# Allegro board IEM608_V10_211216.brd (continued)
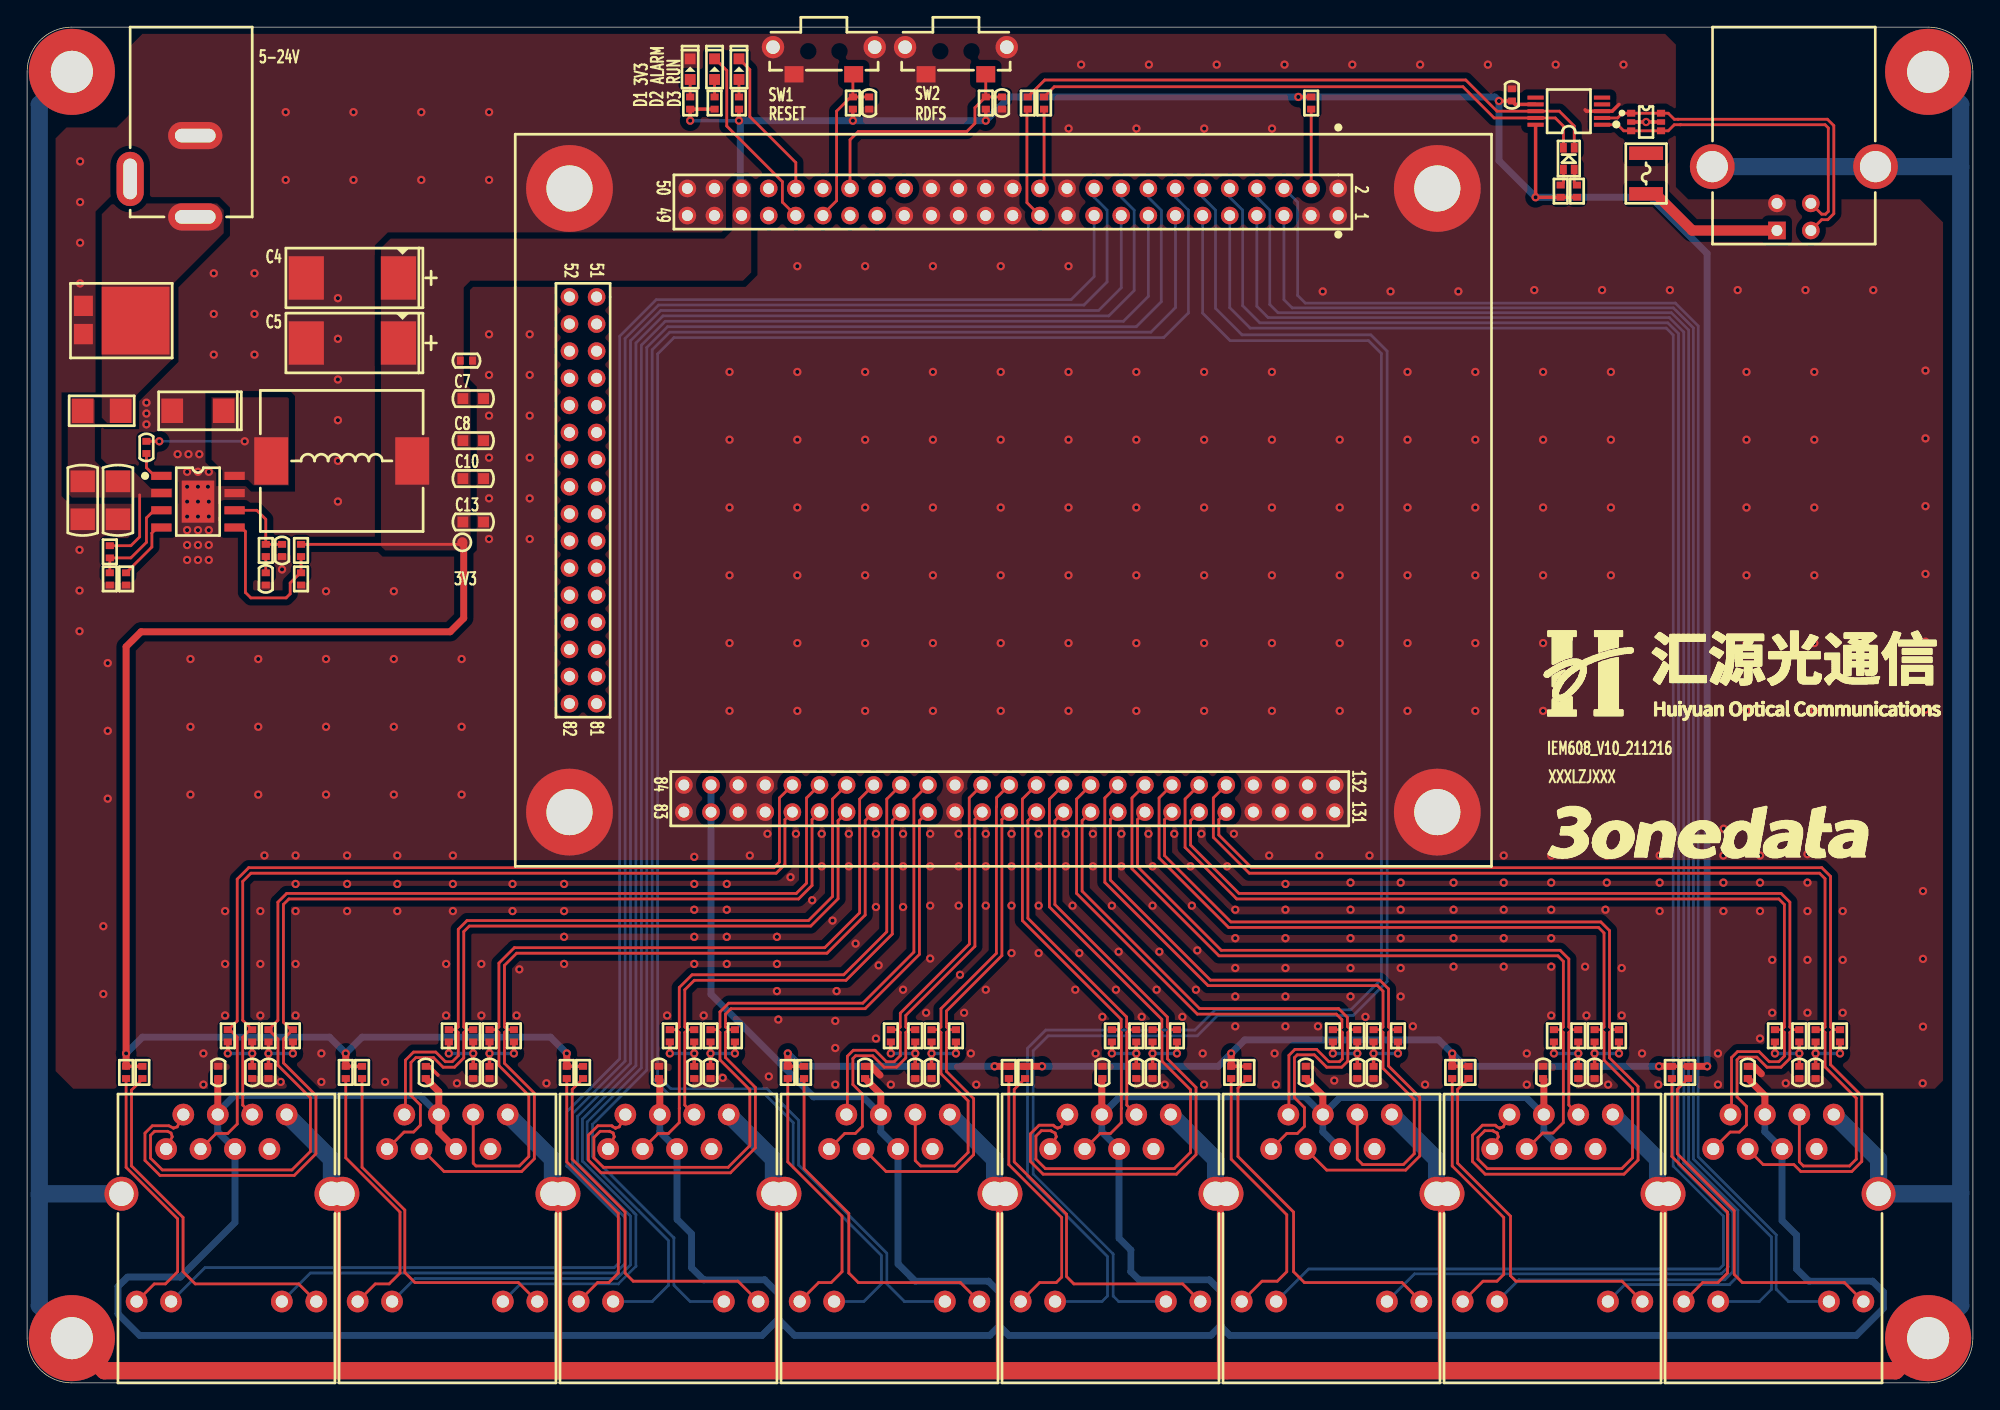
[diagram p0: board, top side]
## Routing (per net, layer and track width the routed paths; a pad name or vN(x,y) marks a point on that pad's centre or on a via; arc(x,y) is an arc through that point) (continued)
GND_EARTH: length 657.4
  TOP w0.508: J8.13 120.7,13.6 120.7,1 120.6,0.9 ; J4.14 71.7,13.6 71.7,0.9 ; J1.14 22.9,13.49 22.9,0.9 ; 104.4,0.9 104.3,1 104.3,13.6 103.94,13.95 ; 39.2,0.9 39.2,13.49 J2.14 ; 55.4,0.9 55.4,13.6 J3.14 ; 88.5,0.9 88,1.4 88,13.6 87.64,13.95
  TOP w1.27: MH3.1 5.7,0.9 137.8,0.9 MH4.1
  BOTTOM w0.762: 120.25,14.76 J8.13 ; 103.94,14.76 J7.13
  BOTTOM w1.27: J5.13 J4.14 71.34,16.48 J4.8 ; J2.8 38.74,16.48 J2.14 J3.13 ; J6.13 87.64,13.95 87.64,16.48 J5.8 ; MH1.1 0.9,94.3 0.9,13.9 ; J8.8 136.54,16.48 136.54,13.95 142.55,13.95 142.6,14 ; 0.9,13.9 0.95,13.95 6.96,13.95 ; 0.9,13.9 0.9,5.7 MH3.1 5.7,0.9 137.8,0.9 MH4.1 142.6,5.7 142.6,14 ; MH2.1 142.6,94.3 142.6,89.7 ; J1.8 22.45,16.48 J1.14 J2.13 ; USB1.5 USB1.6 142.59,89.71 142.6,89.7 ; J6.8 103.94,16.48 103.94,13.95 J7.13 ; 142.6,14 142.6,89.7 ; J4.13 J3.14 55.05,16.48 J3.8 ; J7.8 120.25,16.48 J7.14 J8.13
VCC_3.3V: length 356
  TOP w0.203: R12.1 31.95,61.85 TP1.1
  TOP w0.254: R54.1 R53.1 ; R3.2 v1(52.5,93.1) ; R56.1 R55.1 ; R2.2 R1.2 v1(48.9,93.1) ; R5.2 v1(70.7,93.1) ; R63.1 R64.1 ; R52.1 R51.1 ; R10.1 R9.1 v1(111.25,87.45) U1.10 ; R62.1 R61.1 ; R8.2 v1(93.75,94.85) ; v1(108.55,94.55) C1.2 109.75,94.3 U1.7 ; R4.2 v1(60.9,93.1) ; R50.1 R49.1 ; R60.1 R59.1
  TOP w0.508: R63.1 v1(120.35,23.35) ; R61.1 v1(105.1,24.3) ; R49.1 v1(7.3,24.3) 7.3,54.3 8.4,55.4 31.2,55.4 32.2,56.4 32.2,61.9 TP1.1 ; v1(71.35,23.35) R57.1 R58.1 v1(74.85,23.35) ; R51.1 v1(23.5,24.3) ; R55.1 v1(56.1,24.3) ; R59.1 v1(88.8,24.3) ; R64.1 v1(123.9,23.35) ; R53.1 v1(39.8,24.3)
  BOTTOM w0.254: v1(52.5,93.1) v1(48.9,93.1)
  BOTTOM w0.508: v1(71.35,23.35) 57.05,23.35 v1(56.1,24.3) ; v1(74.85,23.35) 87.85,23.35 v1(88.8,24.3) 89.8,25.3 104.1,25.3 v1(105.1,24.3) 106.05,23.35 v1(120.35,23.35) ; v1(7.3,24.3) 8.5,25.5 22.3,25.5 v1(23.5,24.3) 24.7,25.5 38.6,25.5 v1(39.8,24.3) ; U3.46 52.6,88.19 52.6,93 v1(52.5,93.1) v1(60.9,93.1) v1(70.7,93.1) 72.45,94.85 v1(93.75,94.85) 108.25,94.85 v1(108.55,94.55) 108.55,90.15 v1(111.25,87.45) 119.75,87.45 123.9,83.3 v1(123.9,23.35)
VCC_24V: length 5.6
  TOP w0.203: 8.3,65.5 8.3,62.4 7.65,61.75 R13.2
VCC_VCT25: length 358
  TOP w0.508: J3.4 46.66,22.39 C22.1 ; C25.1 62.96,21.29 J4.4 ; J1.4 14.06,22.41 C16.1 ; J5.4 79.26,22.41 C28.1 ; C37.1 128.16,21.19 J8.4 ; C19.1 30.36,21.49 J2.4 30.36,18.52 J2.5 ; J7.4 111.86,22.39 C34.1 ; J6.4 95.56,21.19 C31.1
  BOTTOM w0.508: J3.4 46.66,18.52 J3.5 47.93,12.07 49,11 49,8.5 49.9,7.6 54.4,7.6 55.4,6.6 55.4,4.7 ; 71.7,4.2 71,3.5 56.6,3.5 55.4,4.7 ; 71.7,4.2 71.7,6.7 70.9,7.5 65.5,7.5 64.23,8.77 J4.5 62.96,18.52 J4.4 61.65,21.1 58,21.1 50.44,28.66 U3.85 U3.86 ; 71.7,4.2 72.4,3.5 87.3,3.5 88,4.2 ; 88,4.2 88.7,3.5 134.9,3.5 136.9,5.5 136.9,6.7 136.1,7.5 131.4,7.5 130.5,8.4 130.5,10.9 129.43,11.97 J8.5 128.16,18.52 J8.4 ; 88,4.2 88,6.8 87.2,7.6 82,7.6 81.4,8.2 81.4,9.8 80.53,10.67 J5.5 79.26,18.52 J5.4 80.57,21.1 94.25,21.1 J6.4 ; J6.4 95.56,18.52 J6.5 ; J6.4 96.82,21.05 110.55,21.05 111.81,19.79 J7.4 111.86,18.52 J7.5 ; 55.4,4.7 54.2,3.5 8.3,3.5 6.7,5.1 6.7,7.1 7.4,7.8 11.3,7.8 15.33,11.83 J1.5 14.06,18.52 J1.4 14.06,19.96 15.3,21.2 28.95,21.2 J2.4
1_RXN: length 62.7
  TOP w0.203: U3.91 55.89,41.55 55.89,38.24 55.24,37.59 16.51,37.59 15.9,36.99 15.9,26.75 R18.1 16.45,26.05 15.9,25.5 15.9,20.49 J1.6
1_RXP: length 68.8
  TOP w0.203: U3.92 55.48,43.15 55.48,38.41 55.08,38 16.34,38 15.49,37.16 15.49,26.69 14.85,26.05 ; 14.85,26.05 14.95,26.05 15.5,25.5 15.5,19.1 14.8,18.4 13.94,18.4 J1.3 ; 14.85,26.05 R17.1
1_TXN: length 84.7
  TOP w0.203: 19.59,26.05 18.91,25.37 18.91,23.59 21.3,21.2 21.3,16.9 19.7,15.3 9.8,15.3 8.69,16.41 8.69,18.42 9.23,18.96 10.45,18.96 10.79,18.79 11.07,18.88 J1.2 ; 19.59,26.05 19.45,26.05 18.9,26.6 18.9,35.29 19.31,35.69 56.89,35.69 57.89,36.69 57.89,41.55 U3.93 ; 19.59,26.05 R20.1
1_TXP: length 84.5
  TOP w0.203: J1.1 10.7,18.16 10.61,18.43 10.36,18.56 9.4,18.56 9.1,18.25 9.1,16.57 9.97,15.71 19.53,15.71 20.89,17.07 20.89,21.03 18.5,23.43 18.5,25.36 17.81,26.05 R19.1 18.49,26.74 18.49,35.46 19.14,36.1 56.73,36.1 57.48,36.86 57.48,43.15 U3.94
2_RXN: length 61.9
  TOP w0.203: 34.59,26.05 34.8,25.85 34.8,23.4 37,21.2 37,16.7 36.3,16 33.1,16 32.9,16.2 J2.6 ; 34.59,26.05 R23.1 ; 34.59,26.05 34.8,26.25 34.8,30.96 35.93,32.1 58.83,32.1 61.4,34.67 61.4,43.06 U3.98
2_RXP: length 61.2
  TOP w0.203: J2.3 30.75,15.59 36.47,15.59 37.41,16.53 37.41,21.37 35.2,23.57 35.2,25.85 35.41,26.05 ; 35.41,26.05 R24.1 ; 35.41,26.05 35.2,26.25 35.2,30.79 36.1,31.69 58.99,31.69 61.81,34.51 61.81,41.47 U3.97
2_TXN: length 55.9
  TOP w0.203: J2.2 27.9,19.87 27.9,23.8 28.5,24.4 30.14,24.4 30.85,23.69 31.35,23.69 31.8,24.13 31.8,25.85 31.59,26.05 ; 31.59,26.05 R21.1 ; 31.59,26.05 31.8,26.25 31.8,33.46 32.44,34.1 57.63,34.1 59.4,35.87 59.4,43.06 U3.96
2_TXP: length 58
  TOP w0.203: U3.95 59.81,41.47 59.81,35.71 57.79,33.69 32.61,33.69 32.2,33.29 32.2,26.25 32.41,26.05 ; 32.41,26.05 R22.1 ; 32.41,26.05 32.2,25.85 32.2,23.97 31.52,23.28 30.68,23.28 29.97,23.99 28.67,23.99 28.31,23.63 28.31,21.19 29,20.5 29,19 28.5,18.5 27.8,18.5 J2.1
3_RXN: length 36.4
  TOP w0.203: J3.6 48.5,20.49 48.5,25.85 48.71,26.05 ; 48.71,26.05 48.5,26.25 48.5,28.99 49.2,29.69 60.39,29.69 63.81,33.11 63.81,41.47 U3.99 ; 48.71,26.05 R26.1
3_RXP: length 42.4
  TOP w0.203: U3.100 63.4,43.06 63.4,33.27 60.23,30.1 49.03,30.1 48.1,29.16 48.1,26.25 47.89,26.05 ; 47.89,26.05 R25.1 ; 47.89,26.05 48.1,25.85 48.1,20.25 48.1,20.25 48.1,19.2 47.3,18.4 46.54,18.4 J3.3
3_TXN: length 57.3
  TOP w0.203: J3.2 43.67,18.88 43.39,18.79 43.2,18.89 43.12,18.96 42.09,18.96 41.39,18.27 41.39,16.43 42.33,15.49 51.87,15.49 53.71,17.33 53.71,21.79 51.5,24 51.5,25.85 51.71,26.05 ; U3.101 65.81,41.47 65.81,31.61 61.8,27.6 51.91,27.6 51.5,27.19 51.5,26.25 51.71,26.05 ; R28.1 51.71,26.05
3_TXP: length 57.2
  TOP w0.203: 50.89,26.05 51.1,26.25 51.1,27.36 51.74,28.01 61.63,28.01 65.4,31.77 65.4,43.06 U3.102 ; 50.89,26.05 R27.1 ; 50.89,26.05 51.1,25.85 51.1,23.83 53.3,21.63 53.3,17.5 51.7,15.9 42.5,15.9 41.8,16.6 41.8,18.1 42.26,18.56 42.96,18.56 43.21,18.43 43.3,18.16 J3.1
4_RXN: length 38.5
  TOP w0.203: J4.6 65.5,16.4 65.9,16 68.4,16 69.4,17 69.4,20.8 67.4,22.8 67.4,25.85 67.19,26.05 ; U3.108 71.5,43.16 71.5,42.51 71.48,42.5 71.48,31.68 67.4,27.6 67.4,26.25 67.19,26.05 ; 67.19,26.05 R31.1
4_RXP: length 38
  TOP w0.203: 68.01,26.05 67.8,26.25 67.8,27.43 71.89,31.51 71.89,41.55 U3.107 ; 68.01,26.05 R32.1 ; 68.01,26.05 67.8,25.85 67.8,22.97 69.81,20.97 69.81,16.83 68.57,15.59 63.35,15.59 J4.3
4_TXN: length 32.1
  TOP w0.203: 64.19,26.05 64.4,25.85 64.4,24.13 63.95,23.69 63.38,23.69 62.53,24.53 60.93,24.53 60.49,24.09 60.49,19.86 J4.2 ; 64.19,26.05 64.4,26.25 64.4,27.27 69.49,32.37 69.49,40.09 69.48,40.1 69.48,43.15 U3.106 ; 64.19,26.05 R29.1
4_TXP: length 34.2
  TOP w0.203: U3.105 69.9,41.56 69.9,32.2 64.8,27.1 64.8,26.25 65.01,26.05 ; 65.01,26.05 R30.1 ; 65.01,26.05 64.8,25.85 64.8,23.97 64.12,23.28 63.21,23.28 62.37,24.13 61.1,24.13 60.9,23.92 60.9,22.01 61.6,21.31 61.6,18.92 61.08,18.4 60.3,18.4 J4.1
5_RXN: length 26.5
  TOP w0.203: 81.31,26.05 81.1,25.85 81.1,20.49 J5.6 ; 81.31,26.05 R34.1 ; 81.31,26.05 81.09,26.27 81.09,26.98 73.81,34.27 73.81,41.47 U3.109
5_RXP: length 32.5
  TOP w0.203: 80.49,26.05 80.7,25.85 80.7,20.25 80.7,20.25 80.7,19.2 79.9,18.4 79.14,18.4 J5.3 ; 80.49,26.05 80.68,26.24 80.68,26.82 73.4,34.1 73.4,43.06 U3.110 ; 80.49,26.05 R33.1
5_TXN: length 49.4
  TOP w0.203: 84.31,26.05 84.1,25.85 84.1,23.9 86.21,21.79 86.21,16.83 84.77,15.39 74.93,15.39 73.99,16.33 73.99,18.37 74.63,19.01 75.68,19.01 75.8,18.89 75.99,18.79 76.27,18.88 J5.2 ; 84.31,26.05 R36.1 ; 84.31,26.05 84.09,26.27 84.09,26.98 75.8,35.28 75.8,41.46 U3.111
5_TXP: length 49.3
  TOP w0.203: 83.49,26.05 R35.1 ; 83.49,26.05 83.7,25.85 83.7,23.73 85.8,21.63 85.8,17 84.6,15.8 75.1,15.8 74.4,16.5 74.4,18.2 74.8,18.6 75.51,18.6 75.56,18.56 75.81,18.43 75.9,18.16 J5.1 ; 83.49,26.05 83.68,26.24 83.68,26.82 75.39,35.11 75.39,43.05 U3.112
6_RXN: length 53
  TOP w0.203: 99.79,26.05 100,25.85 100,23.2 102.3,20.9 102.3,16.9 101.5,16.1 98.5,16.1 98.1,16.5 J6.6 ; 99.79,26.05 100,26.25 100,28.89 99.59,29.3 87.1,29.3 79.48,36.92 79.48,43.15 U3.116 ; 99.79,26.05 R39.1
6_RXP: length 52.5
  TOP w0.203: J6.3 95.85,15.69 101.67,15.69 102.71,16.73 102.71,21.07 100.4,23.37 100.4,25.85 100.61,26.05 ; 100.61,26.05 100.4,26.25 100.4,29.06 99.76,29.71 87.27,29.71 79.89,37.09 79.89,41.55 U3.115 ; 100.61,26.05 R40.1
6_TXN: length 44.4
  TOP w0.203: J6.2 93.06,19.83 93.06,24.16 93.5,24.6 95.1,24.6 96.01,23.69 96.78,23.69 97,23.9 97,25.85 96.79,26.05 ; 96.79,26.05 R37.1 ; 96.79,26.05 96.96,26.22 96.96,26.79 96.56,27.2 86.3,27.2 77.4,36.1 77.4,43.06 U3.114
6_TXP: length 46.5
  TOP w0.203: U3.113 77.81,41.47 77.81,36.27 86.47,27.61 96.72,27.61 97.37,26.96 97.37,26.29 97.61,26.05 ; 97.61,26.05 97.4,25.85 97.4,23.73 96.95,23.28 95.84,23.28 94.93,24.19 93.67,24.19 93.47,23.99 93.47,21.04 94.2,20.31 94.2,18.92 93.68,18.4 92.9,18.4 J6.1 ; 97.61,26.05 R38.1
7_RXN: length 51.3
  TOP w0.203: 113.91,26.05 113.7,26.25 113.7,31.26 113.06,31.91 88.07,31.91 81.89,38.09 81.89,41.55 U3.117 ; 113.91,26.05 R42.1 ; 113.91,26.05 113.7,25.85 113.7,20.49 J7.6
7_RXP: length 57.3
  TOP w0.203: J7.3 111.77,18.43 112.53,18.43 113.3,19.2 113.3,25.85 113.09,26.05 ; 113.09,26.05 R41.1 ; 113.09,26.05 113.3,26.25 113.3,31.09 112.89,31.5 87.9,31.5 81.48,37.92 81.48,43.15 U3.118
7_TXN: length 75.6
  TOP w0.203: 116.91,26.05 116.7,26.25 116.7,33.36 116.06,34 88.77,34 83.89,38.89 83.89,41.55 U3.119 ; 116.91,26.05 R44.1 ; 116.91,26.05 116.7,25.85 116.7,23.97 118.81,21.87 118.81,16.43 117.77,15.39 107.53,15.39 106.59,16.33 106.59,18.27 107.33,19.01 108.28,19.01 108.4,18.89 108.59,18.79 108.87,18.88 J7.2
7_TXP: length 75.6
  TOP w0.203: 116.09,26.05 R43.1 ; 116.09,26.05 116.3,26.25 116.3,33.19 115.89,33.59 88.61,33.59 83.48,38.72 83.48,43.15 U3.120 ; 116.09,26.05 116.3,25.85 116.3,23.8 118.4,21.7 118.4,16.6 117.6,15.8 107.7,15.8 107,16.5 107,18.1 107.5,18.6 108.11,18.6 108.16,18.56 108.41,18.43 108.5,18.16 J7.1
8_RXN: length 81
  TOP w0.203: 132.39,26.05 132.6,26.25 132.6,37.19 132.19,37.59 90.13,37.59 87.48,40.24 87.48,43.15 U3.124 ; 132.39,26.05 R47.1 ; 132.39,26.05 132.6,25.85 132.6,23.3 134.9,21 134.9,16.5 134.4,16 131,16 130.7,16.3 J8.6
8_RXP: length 80.3
  TOP w0.203: U3.123 87.89,41.55 87.89,40.41 90.3,38 132.36,38 133,37.36 133,26.25 133.21,26.05 ; 133.21,26.05 R48.1 ; 133.21,26.05 133,25.85 133,23.47 135.31,21.17 135.31,16.33 134.57,15.59 130.81,15.59 130.3,16.1 128.04,16.1 J8.3
8_TXN: length 71.6
  TOP w0.203: 129.39,26.05 R45.1 ; 129.39,26.05 129.6,26.25 129.6,35.29 129.19,35.69 89.21,35.69 85.4,39.5 85.4,43.06 U3.122 ; 129.39,26.05 129.6,25.85 129.6,24.1 129.18,23.69 128.48,23.69 127.73,24.43 126.14,24.43 125.7,23.99 125.7,19.87 J8.2
8_TXP: length 73.7
  TOP w0.203: J8.1 125.6,18.5 126.28,18.5 126.8,19.02 126.8,20.4 126.11,21.09 126.11,23.82 126.31,24.03 127.57,24.03 128.31,23.28 129.35,23.28 130,23.93 130,25.85 130.21,26.05 ; 130.21,26.05 R46.1 ; 130.21,26.05 130,26.25 130,35.46 129.36,36.1 89.37,36.1 85.81,39.67 85.81,41.47 U3.121
ALARM_LED: length 14.1
  TOP w0.203: U3.41 55.7,87.09 55.7,88.6 51.6,92.7 51.6,96.8 50.74,97.66 D2.2
CH340E_RXD: length 41.4
  TOP w0.203: R7.1 75.75,95.6 105.89,95.6 108.19,93.3 U1.9 112.7,93.3 113.3,92.7 D4.3
CH340E_TXD: length 43.8
  TOP w0.203: R6.1 75.05,96.1 106.1,96.1 108.4,93.8 U1.8 113,93.8 114.1,92.7 D4.1
LINK1: length 142.5
  BOTTOM w0.203: J1.11 20.89,8.1 43.39,8.1 44.1,8.81 44.1,12.19 44.06,12.24 44.06,12.25 40.23,16.07 40.23,19.87 44.1,23.73 44.1,77.03 46.57,79.5 77.94,79.5 79.65,81.2 79.65,86.5 78.69,87.45 U3.20
LINK2: length 128.5
  BOTTOM w0.203: J2.11 36.38,7.3 43.6,7.3 44.9,8.6 44.9,12.4 44.77,12.53 44.77,12.54 40.95,16.36 40.95,19.45 44.9,23.4 44.9,76.7 46.9,78.7 79.77,78.7 81.65,80.58 81.65,86.5 80.69,87.45 U3.18
LINK3: length 125.6
  BOTTOM w0.203: U3.16 82.69,87.45 83.65,86.5 83.65,79.75 81.8,77.9 47.23,77.9 45.7,76.37 45.7,23.07 41.7,19.07 41.7,16.7 47.7,10.7 47.7,7.2 48.9,6 J3.11
LINK4: length 134.6
  BOTTOM w0.203: U3.14 84.69,87.45 85.65,86.5 85.65,78.92 83.83,77.1 47.71,77.1 46.5,75.89 46.5,22.67 47.47,21.7 54.57,21.7 56.9,19.37 56.9,16.07 63.4,9.57 63.4,7.3 64.7,6 J4.11
LINK5: length 122.5
  BOTTOM w0.203: J5.11 80.51,6 80.1,6.41 80.1,9.5 74.2,15.4 74.2,24.5 75.3,25.6 86.3,25.6 87.8,27.1 97.8,27.1 100.3,29.6 100.3,76.1 99.1,77.3 89.6,77.3 87.65,79.25 87.65,86.5 86.69,87.45 U3.12
LINK6: length 138.6
  BOTTOM w0.203: J6.11 102.33,8.04 124.95,8.04 125.46,8.55 125.46,12.44 121.79,16.11 121.79,77.4 121,78.19 90.91,78.19 89.65,79.45 89.65,86.5 88.69,87.45 U3.10
LINK7: length 122.3
  BOTTOM w0.203: U3.8 90.69,87.45 91.65,86.5 91.65,79.54 92.25,78.93 121.26,78.93 122.53,77.66 122.53,16.37 126.17,12.74 126.17,7.87 125.54,7.24 117.83,7.24 J7.11
LINK8: length 116.5
  BOTTOM w0.203: 132.88,6 129.9,6 129,6.9 129,10.91 123.24,16.66 123.24,77.96 121.56,79.64 94.26,79.64 93.7,80.21 93.7,87.09 U3.6
RDFS: length 18.5
  TOP w0.203: R5.1 C3.1 ; R5.1 70.69,94.85 69.9,94.06 69.9,92.9 69.3,92.3 61.3,92.3 60.69,91.69 U3.38 ; R5.1 SW2.3
RESET: length 12.6
  TOP w0.203: SW1.3 60.9,96.46 R4.1 ; R4.1 60.75,94.85 59.7,93.8 59.7,87.2 58.69,86.19 U3.39 ; R4.1 C2.1
RUN_LED: length 11.3
  TOP w0.203: U3.42 56.69,90.01 53.3,93.4 53.3,96.86 D3.2
RXD: length 8.3
  TOP w0.203: U3.23 73.74,87.05 73.74,93.89 R6.2
SPEED1: length 147.1
  BOTTOM w0.203: 10.62,6 13.12,8.5 43.29,8.5 43.7,8.91 43.7,12.1 39.8,16 39.8,20 43.7,23.9 43.7,77.2 46.4,79.9 76.99,79.9 78.69,81.6 U3.19
SPEED2: length 133.2
  BOTTOM w0.203: J2.10 28.61,7.7 43.5,7.7 44.5,8.7 44.5,12.29 44.41,12.38 44.41,12.39 40.59,16.22 40.59,19.66 44.5,23.57 44.5,76.87 46.73,79.1 79.02,79.1 80.69,80.77 U3.17
SPEED3: length 122.9
  BOTTOM w0.203: 43.22,6 46.1,6 47.3,7.2 47.3,10.5 45.12,12.68 45.12,12.69 41.3,16.51 41.3,19.24 45.3,23.24 45.3,76.54 47.06,78.3 80.85,78.3 82.69,80.14 U3.15
SPEED4: length 130.8
  BOTTOM w0.203: U3.13 84.69,79.31 82.88,77.5 47.39,77.5 46.1,76.21 46.1,22.5 47.3,21.3 54.4,21.3 56.5,19.2 56.5,15.9 63,9.4 63,7.3 61.7,6 J4.10
SPEED5: length 120.7
  BOTTOM w0.203: U3.11 86.69,78.91 88.72,76.88 98.92,76.88 99.88,75.92 99.88,29.78 97.62,27.52 87.62,27.52 86.12,26.02 75.12,26.02 73.78,24.68 73.78,15.22 79.68,9.32 79.68,6.41 79.27,6 J5.10
SPEED6: length 144.6
  BOTTOM w0.203: J6.10 94.52,8.4 124.8,8.4 125.1,8.7 125.1,12.29 121.4,15.99 121.4,77.29 120.89,77.8 90.2,77.8 88.69,79.31 U3.9
SPEED7: length 128.1
  BOTTOM w0.203: U3.7 90.69,79.41 91.52,78.58 121.11,78.58 122.18,77.51 122.18,16.22 125.81,12.59 125.81,8.21 125.2,7.6 110.02,7.6 J7.10
SPEED8: length 114.9
  BOTTOM w0.203: J8.10 127.74,6 128.64,6.9 128.64,10.76 122.89,16.52 122.89,77.81 121.41,79.29 93.3,79.29 92.69,79.9 U3.5
TXD: length 6
  TOP w0.203: R7.2 75,88.41 U3.24
USB_DN: length 26.3
  TOP w0.203: USB1.2 132.35,85.8 132.8,85.8 133.24,86.24 133.24,92.73 132.77,93.21 121.77,93.21 121.76,93.2 121.48,93.2 121.03,93.65 U2.6 U2.1 117.65,93.65 117.3,93.3 U1.2
USB_DP: length 25
  TOP w0.203: USB1.3 132.35,86.2 132.63,86.2 132.84,86.41 132.84,92.56 132.6,92.8 121.93,92.8 121.93,92.8 121.48,92.8 121.03,92.35 U2.4 U2.3 117.75,92.35 117.3,92.8 U1.1
N17243835: length 19.8
  TOP w0.203: J1.9 9.38,7.3 10.2,7.3 11.1,8.2 11.1,12.1 7.3,15.9 R49.2
N17243925: length 4.4
  TOP w0.254: v1(19.6,24.3) R20.2 ; R19.2 v1(17.8,24.3) C18.1
  BOTTOM w0.254: v1(19.6,24.3) v1(17.8,24.3)
N17244178: length 4.4
  TOP w0.254: R18.2 v1(16.6,24.3) C17.1 ; v1(14.8,24.3) R17.2
  BOTTOM w0.254: v1(14.8,24.3) v1(16.6,24.3)
N17244218: length 5.9
  TOP w0.203: U3.4 94.7,88.11 R8.1
N17244260: length 26.9
  TOP w0.203: R50.2 8.5,22.4 7.7,21.6 7.7,16 11.5,12.2 11.5,8.2 12.4,7.3 20.02,7.3 J1.12
N17245776: length 1.3
  TOP w0.203: R3.1 D3.1
N17245842: length 1.3
  TOP w0.203: R1.1 D1.1
N17259643: length 1.3
  TOP w0.203: R2.1 D2.1
N17264393: length 20
  TOP w0.203: R51.2 23.5,16.6 27.5,12.6 27.5,8.1 26.7,7.3 25.68,7.3 J2.9
N17264424: length 4.4
  TOP w0.254: R21.2 v1(31.1,24.3) ; R22.2 v1(32.9,24.3) C20.1
  BOTTOM w0.254: v1(32.9,24.3) v1(31.1,24.3)
N17264495: length 4.4
  TOP w0.254: R23.2 v1(34.1,24.3) C21.1 ; v1(35.9,24.3) R24.2
  BOTTOM w0.254: v1(34.1,24.3) v1(35.9,24.3)
N17264552: length 26.3
  TOP w0.203: J2.12 36.23,7.4 28.6,7.4 27.86,8.14 27.86,12.75 24.7,15.9 R52.2
N17265098: length 19.7
  TOP w0.203: R53.2 39.8,16.3 43.6,12.5 43.6,8.1 42.9,7.4 42.08,7.4 J3.9
N17265129: length 4.4
  TOP w0.254: R27.2 v1(50.4,24.3) C24.1 ; v1(52.2,24.3) R28.2
  BOTTOM w0.254: v1(52.2,24.3) v1(50.4,24.3)
N17265200: length 4.4
  TOP w0.254: C23.1 v1(49.2,24.3) R26.2 ; v1(47.4,24.3) R25.2
  BOTTOM w0.254: v1(47.4,24.3) v1(49.2,24.3)
N17265257: length 27
  TOP w0.203: J3.12 52.42,7.5 44.7,7.5 44.1,8.1 44.1,12.6 40.2,16.5 40.2,21.65 R54.2
N17265849: length 19.9
  TOP w0.203: R55.2 56.1,16.3 60.1,12.3 60.1,8.2 59.3,7.4 58.38,7.4 J4.9
N17265880: length 4.4
  TOP w0.254: R30.2 v1(65.5,24.3) C26.1 ; R29.2 v1(63.7,24.3)
  BOTTOM w0.254: v1(65.5,24.3) v1(63.7,24.3)
N17265951: length 4.4
  TOP w0.254: C27.1 v1(66.7,24.3) R31.2 ; v1(68.5,24.3) R32.2
  BOTTOM w0.254: v1(66.7,24.3) v1(68.5,24.3)
N17266008: length 26.2
  TOP w0.203: J4.12 68.83,7.4 61.3,7.4 60.6,8.1 60.6,12.5 57.3,15.8 R56.2
N17267896: length 20
  TOP w0.203: R57.2 72.4,16.1 76.3,12.2 76.3,7.8 75.9,7.4 74.67,7.4 J5.9
N17267927: length 4.4
  TOP w0.254: v1(84.8,24.3) R36.2 ; R35.2 v1(83,24.3) C30.1
  BOTTOM w0.254: v1(84.8,24.3) v1(83,24.3)
N17267998: length 4.4
  TOP w0.254: v1(80,24.3) R33.2 ; C29.1 v1(81.8,24.3) R34.2
  BOTTOM w0.254: v1(80,24.3) v1(81.8,24.3)
N17268055: length 27.2
  TOP w0.203: R58.2 72.8,21.65 72.8,16.3 76.66,12.44 76.66,7.84 77.2,7.3 85.22,7.3 J5.12
N17268110: length 20.2
  TOP w0.203: J6.9 91.08,7.5 92.2,7.5 92.9,8.2 92.9,12.4 88.8,16.5 R59.2
N17268141: length 4.4
  TOP w0.254: R38.2 v1(98.1,24.3) C32.1 ; R37.2 v1(96.3,24.3)
  BOTTOM w0.254: v1(98.1,24.3) v1(96.3,24.3)
N17268212: length 4.4
  TOP w0.254: R39.2 v1(99.3,24.3) C33.1 ; v1(101.1,24.3) R40.2
  BOTTOM w0.254: v1(99.3,24.3) v1(101.1,24.3)
N17268269: length 26.6
  TOP w0.203: J6.12 102.8,6 101.4,7.4 94.2,7.4 93.4,8.2 93.4,12.6 89.3,16.7 89.3,21.75 R60.2
N17268324: length 19.9
  TOP w0.203: J7.9 107.38,7.5 108.4,7.5 108.9,8 108.9,12.2 105.1,16 R61.2
N17268355: length 4.5
  TOP w0.254: v1(117.4,24.3) R44.2 ; R43.2 v1(115.6,24.3) C36.1
  BOTTOM w0.254: v1(117.4,24.3) v1(115.6,24.3)
N17268426: length 4.5
  TOP w0.254: R42.2 v1(114.4,24.3) C35.1 ; v1(112.6,24.3) R41.2
  BOTTOM w0.254: v1(112.6,24.3) v1(114.4,24.3)
N17268483: length 27
  TOP w0.203: R62.2 105.5,21.65 105.5,16.2 109.4,12.3 109.4,7.9 109.8,7.5 117.62,7.5 J7.12
N17268538: length 20.1
  TOP w0.203: R63.2 121.3,16.7 125.4,12.6 125.4,8.1 124.7,7.4 123.58,7.4 J8.9
N17268569: length 4.4
  TOP w0.254: C38.1 v1(130.7,24.3) R46.2 ; R45.2 v1(128.9,24.3)
  BOTTOM w0.254: v1(130.7,24.3) v1(128.9,24.3)
N17268640: length 4.4
  TOP w0.254: C39.1 v1(131.9,24.3) R47.2 ; v1(133.7,24.3) R48.2
  BOTTOM w0.254: v1(131.9,24.3) v1(133.7,24.3)
N17268697: length 26.9
  TOP w0.203: R64.2 121.7,21.65 121.7,16.9 125.9,12.7 125.9,8 126.5,7.4 134.03,7.4 J8.12
N17279105: length 10.8
  TOP w0.762: USB1.1 122.8,85 120.1,87.7 F1.1
N17279741: length 1.2
  TOP w0.203: D4.4 113.3,88.55 R9.2
N17279744: length 1.2
  TOP w0.203: D4.2 114.1,88.55 R10.2
N17285725: length 2.4
  TOP w0.203: C9.1 8.8,67.5 9.4,66.9 U4.1
N17285729: length 7.2
  TOP w0.203: C9.2 v1(9.75,69.45)
  BOTTOM w0.203: v1(9.75,69.45) v1(16.05,69.45)
N17285842: length 12.1
  TOP w0.203: R12.2 R16.1 20.15,59.75 19.4,59 19.4,58.2 19.1,57.9 16.5,57.9 16.1,58.3 16.1,62.8 15.81,63.09 U4.5
N17285882: length 7.4
  TOP w0.203: U4.3 9.36,64.36 8.8,63.8 8.8,62 7.65,60.85 R13.1 R14.2
N17285886: length 5.6
  TOP w0.203: C14.1 R11.2 17.6,63.7 16.94,64.36 U4.6
N17285910: length 4.6
  TOP w0.203: U4.4 9.61,63.09 9.2,62.68 9.2,61.65 R15.2
N17285968: length 1.2
  TOP w0.203: C15.1 R11.1

## Copper pours and planes (outline as drawn; the poured copper is in the pictures)
GND on TOP: 2.1,91.8 2.1,23 3.4,21.7 140.7,21.7 141.3,22.3 141.3,85.6 139.6,87.3 122.5,87.3 121.6,88.2 121.6,98.7 120.8,99.5 8.5,99.5 7.6,98.6 7.6,93.6 6.6,92.6 2.9,92.6 ; 3 cut-outs
GND on BOTTOM: 2.1,91.8 2.1,23 3.4,21.7 140.7,21.7 141.3,22.3 141.3,85.6 139.6,87.3 122.5,87.3 121.6,88.2 121.6,98.7 120.8,99.5 8.5,99.5 7.6,98.6 7.6,93.6 6.6,92.6 2.9,92.6
GND_EARTH on BOTTOM: 87,14.7 87,13.1 89.1,13.1 89.1,14.7
GND_EARTH on BOTTOM: 21.8,14.8 21.8,13.2 23.9,13.2 23.9,14.8
GND_EARTH on BOTTOM: 119.6,14.7 119.6,13.1 121.7,13.1 121.7,14.7
GND_EARTH on BOTTOM: 70.8,14.8 70.8,13.2 72.9,13.2 72.9,14.8
GND_EARTH on BOTTOM: 54.4,14.8 54.4,13.2 56.5,13.2 56.5,14.8
GND_EARTH on BOTTOM: 103.4,14.6 103.4,13 105.5,13 105.5,14.6
GND_EARTH on BOTTOM: 38.1,14.7 38.1,13.1 40.2,13.1 40.2,14.7
VCC_3.3V on TOP: 32.7,61.6 32.7,73.3 32.2,73.8 32.2,80.8 32.7,81.3 52.8,81.3 53.4,81.9 53.4,88.4 53,88.8 52.4,88.8 52,88.4 52,85 51.4,84.4 26.8,84.4 26.1,83.7 26.1,61.7 26.4,61.4 32.5,61.4
VCC_24V on TOP: 10.7,65.3 3.3,65.3 3,65.6 3,72.6 4.9,72.6 5,72.5 5,68 5.7,67.3 7.8,67.3 9.1,66 10.7,66
VCC_VIN on TOP: 7.8,70.8 5.9,70.8 5.5,71.2 5.5,86.2 6.3,87 14,87 14.5,86.5 14.5,84.8 10.7,81 10.7,75.5 7.8,72.6
N17285729 on TOP: 14.4,66.6 16.3,66.6 16.7,66.2 19.3,66.2 19.3,72.6 19.2,72.7 13.6,72.7 13.6,68.1 14.4,67.3

## Text on the board
Ref Des/Silkscreen Bottom: XXXLZJXXX | IEM608_V10_211216
Ref Des/Silkscreen Top: 5-24V | 3V3 | RESET | RDFS | IEM608_V10_211216 | XXXLZJXXX | ALARM | RUN
DIMENSION: FIGURE | FINISHED_SIZE | 0.3048 | 0.8 | 0.9 | 1.0 | 1.8 | 2.3 | 3.1 | 3.4 | 3.0x1.0 | DRILL CHART: TOP to BOTTOM | ALL UNITS ARE IN MILLIMETERS | ROTATION | - | 90.000 | 0.000 | PLATED | QTY | 494 | 136 | 96 | 4 | 16 | 2 | 1 | 759 | TOTAL HOLES:
